# Altium PCB 11BRANMB10H3_20171026.pcbdoc (part 4 of 7)
Units mm, origin at the board's own origin, x right, y up, seen from the top; angles counter-clockwise.
Board outline 91.65 x 48.25 mm, 6 copper layers (TOP, GND1, Singal, POWER, GND2, BOTTOM), stack 0.8 mm thick; 370 components, 289 nets, 1421 pads, 963 vias.
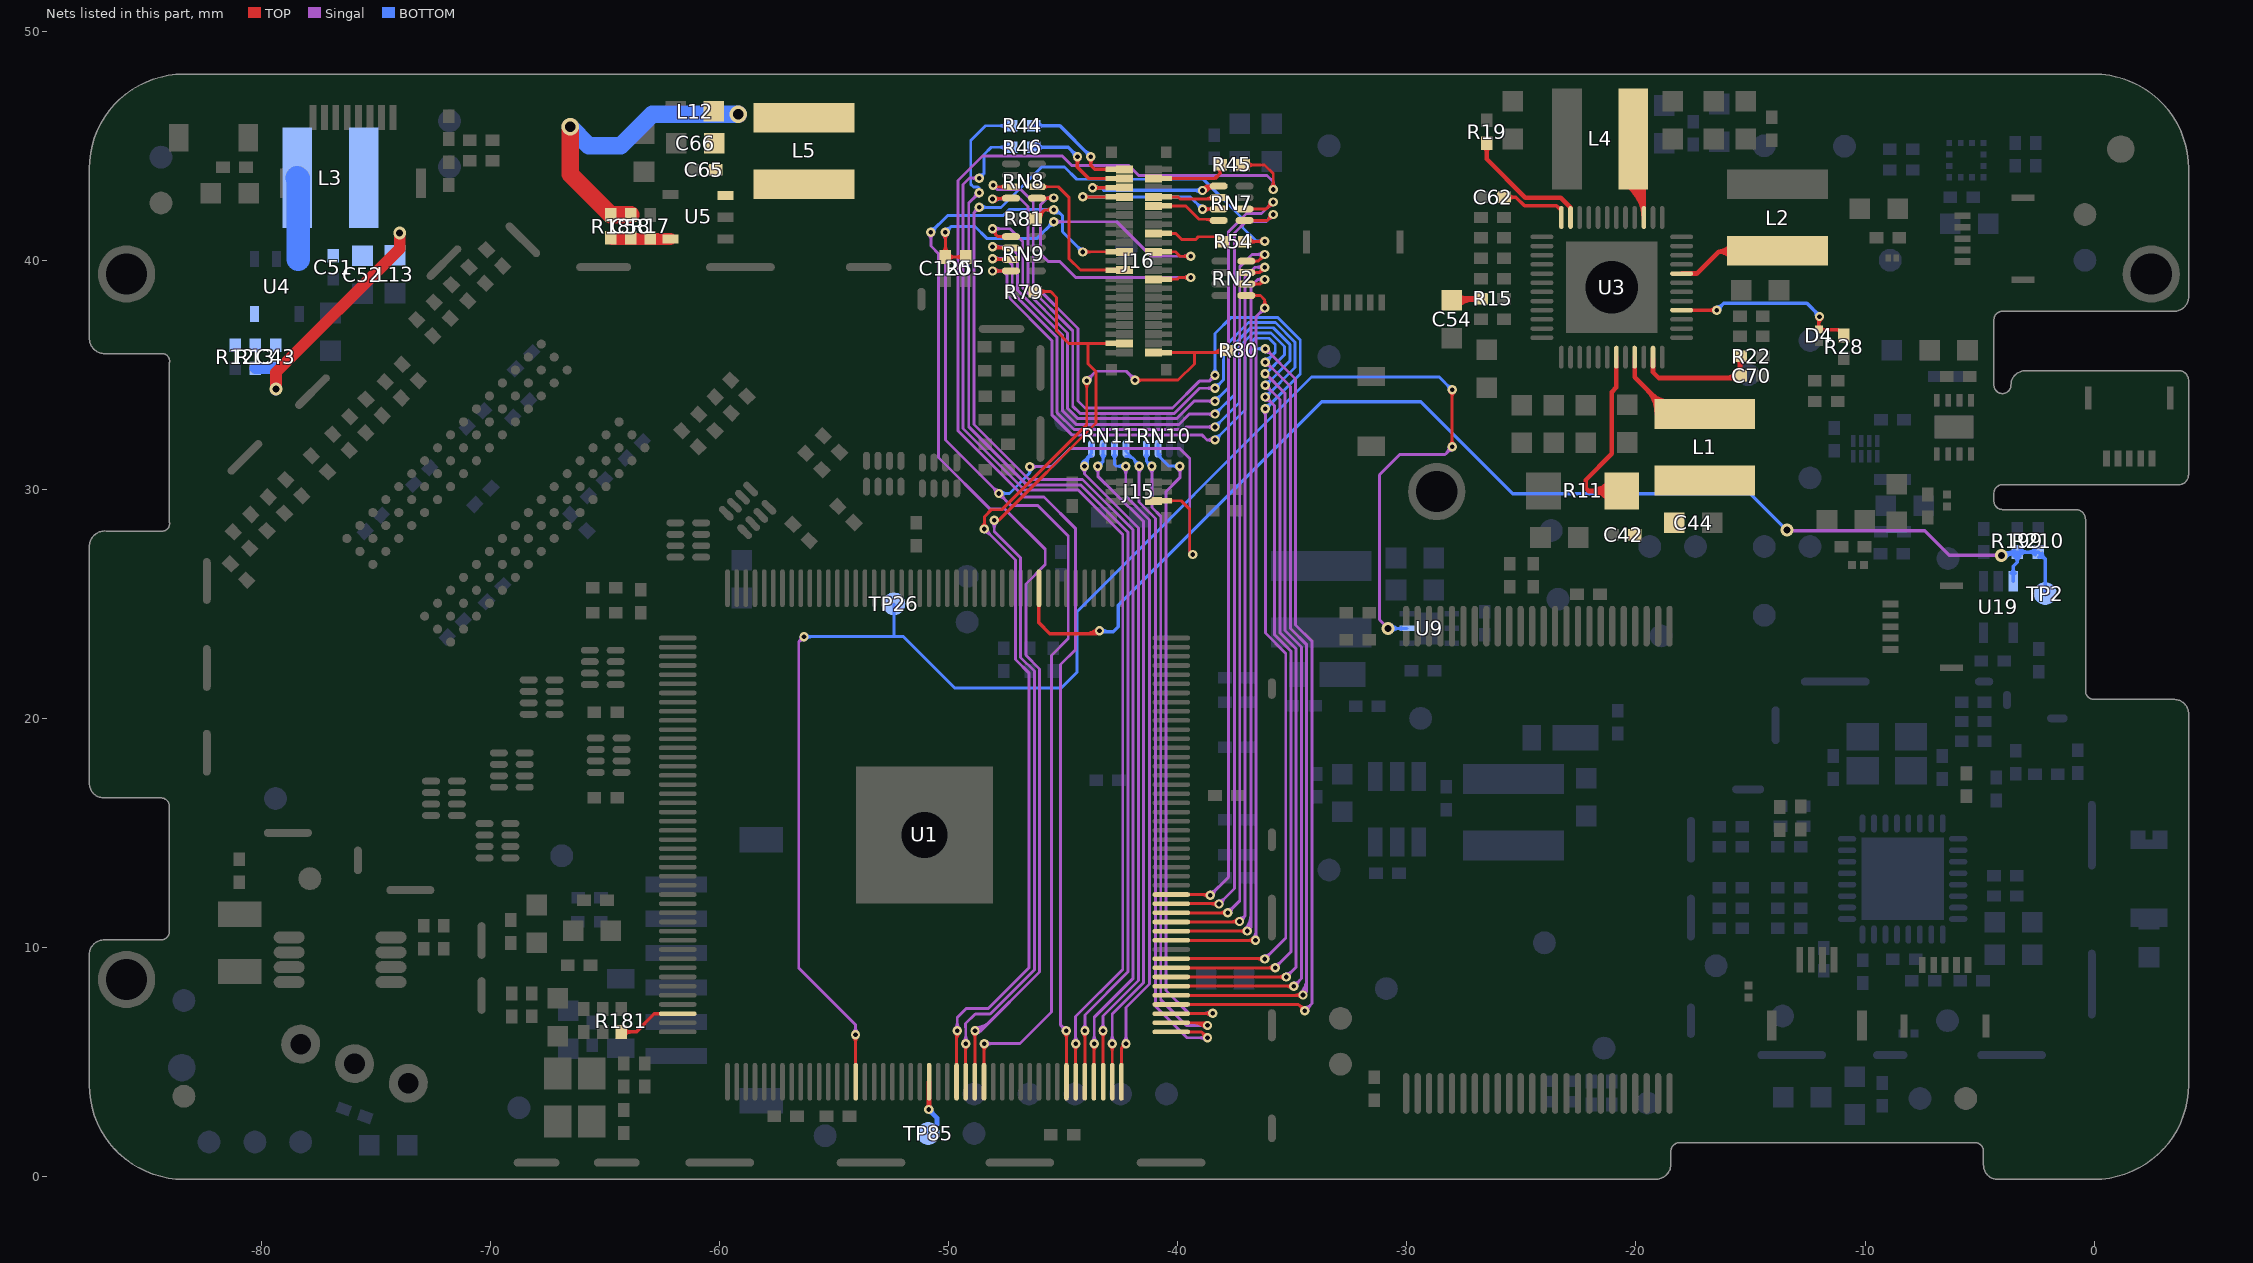
[diagram p8: the nets of this part, all layers, seen from the top]

## Via types
v1: diameter 0.406, hole 0.203, TOP to BOTTOM, tented both sides, 429 vias
v2: diameter 0.457, hole 0.254, TOP to BOTTOM, tented both sides, 256 vias
v3: diameter 0.559, hole 0.305, TOP to BOTTOM, tented both sides, 186 vias
v4: diameter 0.762, hole 0.457, TOP to BOTTOM, tented both sides, 69 vias
v5: diameter 0.61, hole 0.33, TOP to BOTTOM, tented both sides, 11 vias
v6: diameter 0.5, hole 0.2, TOP to BOTTOM, 9 vias
v7: diameter 0.559, hole 0.051, TOP to BOTTOM, tented both sides, 2 vias
v8: diameter 0.508, hole 0.254, TOP to BOTTOM, tented both sides, 1 vias

## Nets (pads, with @x,y where several pads share a name; then routed paths per layer and width w, separated by ;. In a path a pad name is that pad's centre, name@x,y a point inside that pad or via, vN(x,y) a via of type N, cw(c..) or ccw(c..) an arc to the next point about the centre after c; other vN are vias at no path point) (continued)
JTAG_DO: TP85.1 U1.111 | length 2.8
  TOP w0.203: v1@-50.947,2.993 ccw(c-51.144,3.19) -50.865,3.19 ; v1@-50.865,2.931 U1.111@-50.865,4.133 ; -50.865,3.142 ccw(c-50.653,3.142) v1@-50.803,2.993
  BOTTOM w0.203: v1@-50.875,2.819 cw(c-50.875,2.574) -50.701,2.747 cw(c-50.528,2.921) v1@-50.773,2.921 ; v1(-50.875,2.921) -50.519,2.565 -50.519,2.258
LCD-CLK: R54.2 U1.129 | length 62.8
  TOP w0.127: v1@-43.752,5.7 cw(c-43.964,5.489) -43.665,5.489 ; U1.129@-43.665,4.133 v1@-43.665,5.788 ; -43.665,5.435 cw(c-43.289,5.435) v1@-43.555,5.7 ; R54.2@-37.078,40.811 -36.206,40.811 v1@-36.181,40.811 ; R54.2@-36.896,40.679 cw(c-36.578,40.361) -36.578,40.811 cw(c-36.578,41.261) R54.2@-36.896,40.943 ; -36.605,40.811 ccw(c-36.605,41.235) v1@-36.305,40.935 ; -36.482,40.811 cw(c-36.482,40.561) v1@-36.305,40.738
  Singal w0.127: v1@-48.814,42.312 cw(c-49.118,42.303) -48.903,42.088 ; v1@-48.678,42.177 ccw(c-48.687,41.873) -48.903,42.088 ; v1(-48.674,42.316) -48.903,42.088 ; v1@-43.752,5.898 ccw(c-43.991,6.136) -43.654,6.136 ccw(c-43.316,6.136) v1@-43.555,5.898 ; v1(-43.654,5.799) -43.654,6.951 -41.952,8.653 -41.952,28.218 -44.159,30.425 -46.503,30.425 -48.903,32.825 -48.903,42.088
  BOTTOM w0.127: v1(-48.674,42.316) -48.662,42.304 -47.721,42.304 -45.947,44.078 -44.953,44.078 -44.414,43.538 -38.895,43.538 -37.175,41.818 -37.175,41.43 -36.581,40.837 v1(-36.206,40.837) v1@-36.156,40.837 ; v1@-48.575,42.217 cw(c-48.367,42.009) -48.367,42.304 ; v1@-48.575,42.415 ccw(c-48.307,42.684) -48.307,42.304 ; v1@-36.305,40.738 ccw(c-36.544,40.499) -36.544,40.837 ccw(c-36.544,41.174) v1@-36.305,40.935
LCD-D2: RN7.2 U1.148 | length 37.3
  TOP w0.127: U1.148@-40.29,12.308 v1@-38.615,12.308 ; -38.997,12.308 cw(c-38.997,11.862) v1@-38.682,12.177 ; -38.843,12.308 ccw(c-38.843,12.536) v1@-38.682,12.375 ; RN7.2@-37.09,42.238 -36.145,42.238 v1(-35.838,42.545) ; RN7.2@-36.785,42.175 cw(c-36.634,42.023) -36.634,42.238 cw(c-36.634,42.452) RN7.2@-36.785,42.301 ; v1@-35.978,42.545 cw(c-36.315,42.545) -36.076,42.306 cw(c-35.838,42.068) v1@-35.838,42.405
  Singal w0.127: v1(-38.583,12.276) -37.794,13.065 -37.794,41.249 -37.006,42.037 -36.346,42.037 v1(-35.838,42.545) ; v1@-38.583,12.416 ccw(c-38.583,12.753) -38.345,12.514 ccw(c-38.106,12.276) v1@-38.443,12.276 ; v1@-35.978,42.545 cw(c-36.315,42.545) -36.076,42.306 cw(c-35.838,42.068) v1@-35.838,42.405
LCD-D3: RN7.1 U1.147 | length 37.5
  TOP w0.127: U1.147@-40.29,11.908 -38.736,11.908 ; -38.736,11.908 v1@-38.215,11.908 ; -38.57,11.908 cw(c-38.57,11.527) v1@-38.301,11.796 ; -38.509,11.908 ccw(c-38.509,12.202) v1@-38.301,11.994 ; RN7.1@-37.09,41.738 -36.099,41.738 v1(-35.838,41.999) ; RN7.1@-36.785,41.675 cw(c-36.634,41.523) -36.634,41.738 cw(c-36.634,41.952) RN7.1@-36.785,41.8 ; v1@-35.978,41.999 cw(c-36.315,41.999) -36.076,41.76 cw(c-35.838,41.522) v1@-35.838,41.859
  Singal w0.127: v1(-38.202,11.895) -37.527,12.57 -37.527,41.192 -37.019,41.7 -36.136,41.7 v1(-35.838,41.999) ; v1@-38.202,12.035 ccw(c-38.202,12.372) -37.964,12.133 ccw(c-37.725,11.895) v1@-38.062,11.895 ; v1@-35.978,41.999 cw(c-36.315,41.999) -36.076,41.76 cw(c-35.838,41.522) v1@-35.838,41.859
LCD-D4: RN2.4 U1.146 | length 35.6
  TOP w0.127: U1.146@-40.29,11.508 v1@-37.827,11.508 ; -38.173,11.508 ccw(c-38.173,11.866) v1@-37.92,11.613 ; -38.143,11.508 cw(c-38.143,11.192) v1@-37.92,11.415 ; RN2.4@-37.013,39.961 -36.498,39.961 v1(-36.206,40.252) ; RN2.4@-36.709,39.898 cw(c-36.557,39.746) -36.557,39.961 cw(c-36.557,40.176) RN2.4@-36.709,40.024 ; v1@-36.346,40.252 cw(c-36.683,40.252) -36.445,40.014 cw(c-36.206,39.775) v1@-36.206,40.113
  Singal w0.127: v1(-37.821,11.514) -37.299,12.036 -37.299,39.719 -36.765,40.252 v1(-36.206,40.252) ; v1@-37.821,11.654 ccw(c-37.821,11.991) -37.583,11.752 ccw(c-37.344,11.514) v1@-37.681,11.514 ; v1@-36.305,40.154 ccw(c-36.544,39.915) -36.544,40.252 ccw(c-36.544,40.59) v1@-36.305,40.351
LCD-D5: RN2.3 U1.145 | length 35.6
  TOP w0.127: U1.145@-40.29,11.108 v1@-37.338,11.108 ; -37.711,11.108 ccw(c-37.711,11.531) v1@-37.412,11.232 ; -37.589,11.108 cw(c-37.589,10.857) v1@-37.412,11.034 ; RN2.3@-36.984,39.49 RN2.3@-37.013,39.461 -36.439,39.461 ; RN2.3@-36.709,39.398 cw(c-36.557,39.246) -36.557,39.461 cw(c-36.557,39.676) RN2.3@-36.709,39.524 ; v1@-36.346,39.691 cw(c-36.664,39.686) -36.439,39.461 ; v1@-36.209,39.554 ccw(c-36.214,39.236) -36.439,39.461 ; v1(-36.206,39.694) -36.439,39.461
  Singal w0.127: v1(-37.313,11.133) -37.07,11.376 -37.07,39.262 -36.638,39.694 v1(-36.206,39.694) ; v1@-37.313,11.273 ccw(c-37.313,11.61) -37.075,11.371 ccw(c-36.836,11.133) v1@-37.173,11.133 ; v1@-36.305,39.595 ccw(c-36.544,39.356) -36.544,39.694 ccw(c-36.544,40.031) v1@-36.305,39.792
LCD-D6: RN2.2 U1.144 | length 36
  TOP w0.127: U1.144@-40.29,10.708 v1@-36.976,10.708 ; -37.316,10.708 ccw(c-37.316,11.06) v1@-37.067,10.811 ; -37.295,10.708 cw(c-37.295,10.385) v1@-37.067,10.613 ; RN2.2@-37.013,38.961 -36.406,38.961 ; RN2.2@-36.709,38.898 cw(c-36.557,38.746) -36.557,38.961 cw(c-36.557,39.176) RN2.2@-36.709,39.024 ; v1@-36.345,39.141 cw(c-36.557,39.112) -36.406,38.961 ; v1@-36.225,39.022 ccw(c-36.254,38.81) -36.406,38.961 ; v1(-36.206,39.16) -36.406,38.961
  Singal w0.127: v1@-37.067,10.811 ccw(c-37.674,11.417) -36.816,11.417 ; v1@-36.977,10.721 ccw(c-37.367,11.111) -36.816,11.111 ; v1(-36.968,10.712) -36.816,10.865 -36.816,38.862 -36.518,39.16 ; v1@-36.311,39.067 ccw(c-36.518,38.883) -36.518,39.16 ; v1@-36.311,39.253 cw(c-36.518,39.437) -36.518,39.16 ; v1(-36.206,39.16) -36.518,39.16
LCD-D7: RN2.1 U1.143 | length 35.1
  TOP w0.127: U1.143@-40.29,10.308 v1(-36.614,10.308) ; RN2.1@-37.013,38.461 -36.396,38.461 -36.206,38.271 v1(-36.206,37.916) ; v1@-36.713,10.209 ccw(c-36.951,9.971) -36.951,10.308 ccw(c-36.951,10.645) v1@-36.713,10.407 ; RN2.1@-36.709,38.398 cw(c-36.557,38.246) -36.557,38.461 cw(c-36.557,38.676) RN2.1@-36.709,38.524 ; v1@-36.305,38.014 ccw(c-36.544,38.253) -36.206,38.253 ccw(c-35.869,38.253) v1@-36.108,38.014
  Singal w0.127: v1@-36.713,10.407 ccw(c-37.016,10.71) -36.587,10.71 ; v1(-36.614,10.308) -36.587,10.335 -36.587,37.535 v1(-36.206,37.916) ; -36.587,10.581 ccw(c-36.341,10.581) v1@-36.515,10.407 ; v1@-36.346,37.916 cw(c-36.683,37.916) -36.445,37.677 cw(c-36.206,37.439) v1@-36.206,37.776
LCD-D10: RN8.3 U1.141 | length 61.3
  TOP w0.127: v1(-48.069,43.269) -48.009,43.209 RN8.3@-47.287,43.209 ; RN8.3@-47.591,43.147 ccw(c-47.743,42.995) -47.743,43.209 ccw(c-47.743,43.424) RN8.3@-47.591,43.272 ; U1.141@-40.29,9.508 -36.224,9.508 v1(-36.211,9.495) ; -36.579,9.508 cw(c-36.579,9.128) v1@-36.31,9.396 ; -36.518,9.508 ccw(c-36.518,9.802) v1@-36.31,9.594
  Singal w0.127: v1(-48.069,43.269) -47.878,43.078 -46.849,43.078 -46.316,42.545 -46.316,38.974 -44.36,37.018 -44.36,33.852 -44.055,33.547 -40.239,33.547 -39.064,34.722 -38.632,34.722 v1(-38.378,34.976) ; v1@-38.518,34.976 cw(c-38.855,34.976) -38.616,34.737 cw(c-38.378,34.499) v1@-38.378,34.836 ; v1@-36.28,33.423 cw(c-36.518,33.184) -36.181,33.184 cw(c-35.844,33.184) v1@-36.082,33.423 ; v1(-36.211,9.495) -35.292,10.415 -35.292,22.835 -36.181,23.724 v1(-36.181,33.521) ; v1@-36.211,9.635 ccw(c-36.211,9.972) -35.973,9.734 ccw(c-35.734,9.495) v1@-36.072,9.495
  BOTTOM w0.127: v1@-38.477,35.074 ccw(c-38.715,35.313) -38.378,35.313 ccw(c-38.041,35.313) v1@-38.279,35.074 ; v1(-38.378,34.976) -38.378,36.804 -37.673,37.509 -35.648,37.509 -34.657,36.519 -34.657,35.033 -36.168,33.521 v1(-36.181,33.521) ; v1@-36.181,33.661 ccw(c-36.181,34.029) -35.921,33.769 ; v1@-36.041,33.521 cw(c-35.735,33.521) -35.952,33.738
LCD-D11: RN8.4 U1.140 | length 62.4
  TOP w0.127: v1@-48.069,42.672 -48.031,42.709 RN8.4@-47.287,42.709 ; v1@-47.995,42.573 cw(c-47.667,42.245) RN8.4@-47.667,42.709 ; v1@-47.995,42.771 ccw(c-47.847,42.919) -47.847,42.709 ; RN8.4@-47.591,42.646 ccw(c-47.743,42.495) -47.743,42.709 ccw(c-47.743,42.924) RN8.4@-47.591,42.772 ; U1.140@-40.29,9.108 -35.761,9.108 v1(-35.754,9.114) ; -36.107,9.108 ccw(c-36.107,9.467) v1@-35.853,9.213 ; -36.076,9.108 cw(c-36.076,8.793) v1@-35.853,9.015
  Singal w0.127: v1@-48.069,42.672 -46.875,42.672 -46.545,42.342 -46.545,38.879 -44.589,36.923 -44.589,33.63 -44.277,33.318 -40.144,33.318 -39.05,34.412 v1(-38.378,34.412) ; v1@-47.995,42.573 cw(c-47.757,42.335) -47.757,42.672 cw(c-47.757,43.009) v1@-47.995,42.771 ; v1@-38.477,34.313 ccw(c-38.715,34.074) -38.715,34.412 ccw(c-38.715,34.749) v1@-38.477,34.51 ; v1@-36.181,33.89 cw(c-36.181,33.521) -35.921,33.782 ; v1(-36.181,34.029) -36.168,34.029 -35.775,33.636 -35.775,23.64 -35.063,22.929 -35.063,9.805 v1(-35.754,9.114) ; v1@-36.041,34.029 ccw(c-35.735,34.029) -35.952,33.813 ; v1@-35.754,9.254 ccw(c-35.754,9.591) -35.516,9.353 ccw(c-35.277,9.114) v1@-35.615,9.114
  BOTTOM w0.127: v1(-38.378,34.412) -38.01,34.78 -38.01,36.182 -36.911,37.281 -35.742,37.281 -34.886,36.424 -34.886,35.312 -36.168,34.029 v1(-36.181,34.029) ; v1@-38.378,34.551 ccw(c-38.378,34.889) -38.14,34.65 ccw(c-37.901,34.412) v1@-38.238,34.412 ; v1@-36.181,34.169 ccw(c-36.181,34.537) -35.921,34.277 ; v1@-36.041,34.029 cw(c-35.735,34.029) -35.952,34.246
  other v1: -48.094,42.672
LCD-D12: RN9.1 U1.139 | length 61.3
  TOP w0.127: v1@-48.097,41.237 cw(c-48.099,41.105) -47.967,41.105 ; v1@-47.967,41.377 -47.967,41.136 -47.865,41.034 RN9.1@-47.287,41.034 ; RN9.1@-47.591,40.972 ccw(c-47.743,40.82) -47.743,41.034 ccw(c-47.743,41.249) RN9.1@-47.591,41.097 ; U1.139@-40.29,8.708 v1(-35.272,8.708) ; -35.609,8.708 cw(c-35.609,8.37) v1@-35.37,8.609 ; -35.609,8.708 ccw(c-35.609,9.045) v1@-35.37,8.807
  Singal w0.127: v1@-47.995,41.278 cw(c-47.757,41.039) -47.757,41.377 cw(c-47.757,41.714) v1@-47.995,41.475 ; v1@-47.967,41.377 -47.332,41.377 -46.773,40.818 -46.773,38.784 -44.817,36.828 -44.817,33.536 -44.371,33.09 -40.049,33.09 -39.291,33.848 v1(-38.378,33.848) ; v1@-38.477,33.749 ccw(c-38.715,33.511) -38.715,33.848 ccw(c-38.715,34.185) v1@-38.477,33.947 ; v1@-36.181,34.398 cw(c-36.181,34.029) -35.921,34.29 ; v1@-36.168,34.537 -35.546,33.915 -35.546,23.735 -34.835,23.024 -34.835,9.145 v1(-35.272,8.708) ; v1@-36.041,34.537 ccw(c-35.735,34.537) -35.952,34.321 ; v1@-35.272,8.848 ccw(c-35.272,9.185) -35.033,8.946 ccw(c-34.795,8.708) v1@-35.132,8.708
  BOTTOM w0.127: v1(-38.378,33.848) -37.781,34.445 -37.781,36.086 -36.815,37.052 -35.837,37.052 -35.114,36.329 -35.114,35.604 v1(-36.181,34.537) ; v1@-38.378,33.988 ccw(c-38.378,34.325) -38.14,34.086 ccw(c-37.901,33.848) v1@-38.238,33.848 ; v1@-36.181,34.677 ccw(c-36.181,35.015) -35.942,34.776 ccw(c-35.705,34.537) v1@-36.041,34.537
  other v1: -48.094,41.377
LCD-D13: RN9.2 U1.138 | length 60.6
  TOP w0.127: v1(-48.094,40.589) -48.039,40.534 RN9.2@-47.287,40.534 ; v1@-47.995,40.49 cw(c-47.889,40.384) -47.889,40.534 ; v1@-47.995,40.688 ccw(c-47.624,41.059) RN9.2@-47.624,40.534 ; RN9.2@-47.591,40.471 ccw(c-47.743,40.32) -47.743,40.534 ccw(c-47.743,40.749) RN9.2@-47.591,40.597 ; U1.138@-40.29,8.308 -34.948,8.308 v1(-34.941,8.301) ; -35.294,8.308 cw(c-35.294,7.949) v1@-35.04,8.203 ; -35.263,8.308 ccw(c-35.263,8.623) v1@-35.04,8.4
  Singal w0.127: v1(-48.094,40.589) -47.332,40.589 -47.002,40.259 -47.002,38.69 -45.046,36.734 -45.046,33.441 -44.441,32.836 -39.953,32.836 -39.504,33.284 v1(-38.378,33.284) ; v1@-47.995,40.49 cw(c-47.757,40.252) -47.757,40.589 cw(c-47.757,40.926) v1@-47.995,40.688 ; v1@-38.477,33.185 ccw(c-38.715,32.947) -38.715,33.284 ccw(c-38.715,33.621) v1@-38.477,33.383 ; v1@-36.168,35.045 -35.317,34.195 -35.317,23.83 -34.606,23.119 -34.606,8.637 v1(-34.941,8.301) ; v1@-34.941,8.441 ccw(c-34.941,8.778) -34.703,8.54 ccw(c-34.464,8.301) v1@-34.802,8.301
  BOTTOM w0.127: v1(-38.378,33.284) -37.533,34.129 -37.533,36.011 -36.72,36.823 -35.932,36.823 -35.343,36.235 -35.343,35.871 -36.168,35.045 v1(-36.194,35.045) ; v1@-38.378,33.424 ccw(c-38.378,33.761) -38.14,33.522 ccw(c-37.901,33.284) v1@-38.238,33.284
LCD-D14: RN9.3 U1.137 | length 62.2
  TOP w0.127: v1@-48.094,40.081 -48.084,40.071 -48.047,40.034 RN9.3@-47.287,40.034 ; v1@-47.995,39.963 cw(c-47.823,39.79) -47.823,40.034 ; v1@-47.995,40.161 ccw(c-47.691,40.465) -47.691,40.034 ; RN9.3@-47.591,39.972 ccw(c-47.743,39.82) -47.743,40.034 ccw(c-47.743,40.249) RN9.3@-47.591,40.097 ; U1.137@-40.29,7.908 -34.548,7.908 v1(-34.535,7.92) ; -34.903,7.908 ccw(c-34.903,8.288) v1@-34.634,8.019 ; -34.842,7.908 cw(c-34.842,7.613) v1@-34.634,7.822
  Singal w0.127: v1@-48.094,40.081 -47.51,40.081 -47.23,39.802 -47.23,38.595 -45.275,36.639 -45.275,33.346 -44.535,32.607 -39.75,32.607 -39.637,32.72 v1(-38.378,32.72) ; v1@-47.995,39.963 cw(c-47.71,39.678) -47.71,40.081 ; v1@-47.995,40.161 ccw(c-47.804,40.352) -47.804,40.081 ; v1@-38.477,32.621 ccw(c-38.715,32.383) -38.715,32.72 ccw(c-38.715,33.057) v1@-38.477,32.819 ; v1@-36.181,35.414 cw(c-36.181,35.015) -35.899,35.297 ; v1@-36.156,35.553 -35.089,34.487 -35.089,23.925 -34.378,23.213 -34.378,8.078 v1(-34.535,7.92) ; v1@-36.041,35.553 ccw(c-35.765,35.553) -35.96,35.358 ; v1@-34.634,8.019 ccw(c-35.252,8.638) -34.378,8.638 ; v1@-34.544,7.929 ccw(c-34.946,8.331) -34.378,8.331
  BOTTOM w0.127: v1(-38.378,32.72) -37.304,33.794 -37.304,35.916 -36.625,36.595 -36.026,36.595 -35.749,36.318 -35.749,35.985 v1(-36.181,35.553) ; v1@-38.378,32.86 ccw(c-38.378,33.197) -38.14,32.959 ccw(c-37.901,32.72) v1@-38.238,32.72 ; v1@-36.181,35.693 ccw(c-36.181,36.03) -35.943,35.792 ccw(c-35.704,35.553) v1@-36.041,35.553
  other v1: -48.094,40.062
LCD-D15: RN9.4 U1.136 | length 61.6
  TOP w0.127: v1@-48.082,39.534 RN9.4@-47.287,39.534 ; v1@-47.995,39.436 cw(c-47.757,39.197) -47.757,39.534 cw(c-47.757,39.872) v1@-47.995,39.633 ; RN9.4@-47.591,39.471 ccw(c-47.743,39.32) -47.743,39.534 ccw(c-47.743,39.749) RN9.4@-47.591,39.597 ; U1.136@-40.29,7.508 -34.732,7.508 v1(-34.459,7.235) ; v1@-34.599,7.235 ccw(c-34.936,7.235) -34.697,7.473 ccw(c-34.459,7.712) v1@-34.459,7.374
  Singal w0.127: v1@-48.082,39.534 -47.649,39.534 -47.459,39.345 -47.459,38.456 -45.503,36.5 -45.503,33.252 -44.63,32.378 -38.956,32.378 -38.734,32.156 v1(-38.378,32.156) ; v1@-47.995,39.436 cw(c-47.757,39.197) -47.757,39.534 cw(c-47.757,39.872) v1@-47.995,39.633 ; v1@-38.477,32.057 ccw(c-38.715,31.819) -38.715,32.156 ccw(c-38.715,32.493) v1@-38.477,32.255 ; v1@-36.181,35.998 cw(c-36.181,35.661) -35.943,35.899 cw(c-35.704,36.138) v1@-36.041,36.138 ; v1(-36.181,36.138) -34.86,34.817 -34.86,24.079 -34.149,23.368 -34.149,7.544 v1(-34.459,7.235) ; v1@-34.459,7.374 ccw(c-34.459,7.712) -34.22,7.473 ccw(c-33.982,7.235) v1@-34.319,7.235
  BOTTOM w0.127: v1(-38.378,32.156) -37.076,33.458 -37.076,35.821 -36.759,36.138 v1(-36.181,36.138) ; v1@-38.378,32.296 ccw(c-38.378,32.633) -38.14,32.395 ccw(c-37.901,32.156) v1@-38.238,32.156 ; v1@-36.28,36.039 ccw(c-36.518,35.8) -36.518,36.138 ccw(c-36.518,36.475) v1@-36.28,36.236
  other v1: -48.094,39.534
LCD-D18: RN10.3 U1.135 | length 31.4
  TOP w0.127: U1.135@-40.29,7.108 -38.497,7.108 v1(-38.481,7.124) ; -38.857,7.108 ccw(c-38.857,7.499) v1@-38.58,7.222 ; -38.78,7.108 cw(c-38.78,6.825) v1@-38.58,7.025
  Singal w0.127: v1@-40.014,30.91 cw(c-40.252,30.672) -39.915,30.672 cw(c-39.578,30.672) v1@-39.816,30.91 ; v1(-39.915,31.009) -39.915,30.501 -40.521,29.895 -40.521,8.118 -39.527,7.124 v1(-38.481,7.124) ; v1@-38.58,7.025 ccw(c-38.819,6.786) -38.819,7.124 ccw(c-38.819,7.461) v1@-38.58,7.222
  BOTTOM w0.127: RN10.3@-40.876,31.974 RN10.3@-40.876,31.774 -40.876,31.492 -40.393,31.009 v1(-39.915,31.009) ; RN10.3@-40.787,31.533 ccw(c-40.472,31.533) -40.695,31.311 ; v1@-40.014,30.91 ccw(c-40.252,30.672) -40.252,31.009 ccw(c-40.252,31.346) v1@-40.014,31.108
LCD-D19: RN10.4 U1.134 | length 31.4
  TOP w0.127: U1.134@-40.29,6.708 -38.825,6.708 v1(-38.71,6.593) ; -39.325,6.708 cw(c-39.325,5.978) v1@-38.809,6.494 ; -39.018,6.708 cw(c-39.018,6.285) v1@-38.719,6.584
  Singal w0.127: v1@-41.233,30.908 cw(c-41.471,30.67) -41.134,30.67 cw(c-40.797,30.67) v1@-41.035,30.908 ; v1(-41.134,31.007) -41.134,29.206 -40.749,28.821 -40.749,7.711 -39.631,6.593 v1(-38.71,6.593) ; v1@-38.809,6.494 ccw(c-39.047,6.256) -39.047,6.593 ccw(c-39.047,6.93) v1@-38.809,6.692
  BOTTOM w0.127: RN10.4@-41.439,31.47 cw(c-41.591,31.318) -41.376,31.318 cw(c-41.161,31.318) RN10.4@-41.313,31.47 ; RN10.4@-41.376,31.974 RN10.4@-41.376,31.774 -41.376,31.216 ; -41.349,31.189 cw(c-41.531,31.007) v1@-41.274,31.007 ; v1@-41.156,31.145 cw(c-41.197,31.395) -41.376,31.216 ; v1(-41.134,31.007) -41.167,31.007 -41.376,31.216
LCD-D20: RN11.1 U1.133 | length 32.1
  TOP w0.127: U1.133@-40.29,6.308 -38.965,6.308 v1(-38.71,6.053) ; v1@-38.85,6.053 ccw(c-39.187,6.053) -38.948,6.291 ccw(c-38.71,6.53) v1@-38.71,6.193
  Singal w0.127: v1@-41.792,30.908 cw(c-42.03,30.67) -41.693,30.67 cw(c-41.356,30.67) v1@-41.594,30.908 ; v1(-41.693,31.007) -41.693,29.442 -40.978,28.727 -40.978,7.432 -39.599,6.053 v1(-38.71,6.053) ; v1@-38.809,5.954 ccw(c-39.047,5.716) -39.047,6.053 ccw(c-39.047,6.39) v1@-38.809,6.152
  BOTTOM w0.127: RN11.1@-42.264,31.444 cw(c-42.264,30.933) -41.902,31.294 ; RN11.1@-42.264,31.974 RN11.1@-42.264,31.774 -42.264,31.656 -41.718,31.111 -41.718,31.032 v1(-41.693,31.007) ; -41.987,31.379 cw(c-42.359,31.007) v1@-41.832,31.007 ; -41.797,31.19 ccw(c-41.693,31.294) v1@-41.693,31.147
LCD-D21: RN11.2 U1.132 | length 31.5
  TOP w0.127: U1.132@-42.465,4.133 -42.465,5.6 ; v1@-42.404,5.78 cw(c-42.616,5.751) -42.465,5.6 ; v1@-42.285,5.661 ccw(c-42.314,5.449) -42.465,5.6 ; v1(-42.266,5.799) -42.465,5.6
  Singal w0.127: v1@-42.376,30.908 cw(c-42.614,30.67) -42.277,30.67 cw(c-41.94,30.67) v1@-42.178,30.908 ; v1@-42.365,5.898 ccw(c-42.603,6.136) -42.266,6.136 ccw(c-41.929,6.136) v1@-42.167,5.898 ; v1(-42.277,31.007) -42.277,29.703 -41.24,28.665 -41.24,8.395 -42.266,7.369 v1(-42.266,5.799)
  BOTTOM w0.127: RN11.2@-42.827,31.47 cw(c-42.978,31.318) -42.764,31.318 cw(c-42.549,31.318) RN11.2@-42.701,31.47 ; RN11.2@-42.764,31.974 RN11.2@-42.764,31.774 -42.764,31.089 -42.681,31.007 v1(-42.277,31.007) ; v1@-42.376,30.908 ccw(c-42.614,30.67) -42.614,31.007 ccw(c-42.614,31.344) v1@-42.376,31.106
LCD-D22: RN11.3 U1.131 | length 31.8
  TOP w0.127: v1@-42.965,5.7 cw(c-43.206,5.459) -42.865,5.459 ; U1.131@-42.865,4.133 v1@-42.865,5.798 ; -42.865,5.465 cw(c-42.532,5.465) v1@-42.767,5.7
  Singal w0.127: v1@-43.595,30.91 cw(c-43.833,30.672) -43.496,30.672 cw(c-43.159,30.672) v1@-43.397,30.91 ; v1(-43.496,31.009) -43.496,30.569 -42.752,29.825 -41.495,28.596 -41.495,8.464 -42.866,7.092 v1(-42.866,5.799) ; v1@-42.965,5.898 ccw(c-43.203,6.136) -42.866,6.136 ccw(c-42.529,6.136) v1@-42.767,5.898
  BOTTOM w0.127: v1(-43.496,31.009) -43.496,30.983 -43.483,30.996 -43.264,31.216 ; v1@-43.475,31.147 ccw(c-43.437,31.389) -43.264,31.216 ; v1@-43.356,31.009 cw(c-43.082,31.009) -43.276,31.203 ; RN11.3@-43.326,31.47 cw(c-43.478,31.318) -43.264,31.318 cw(c-43.049,31.318) RN11.3@-43.201,31.47 ; RN11.3@-43.264,31.974 RN11.3@-43.264,31.774 -43.264,31.216